# KiCad board PC110.kicad_pcb (continued)
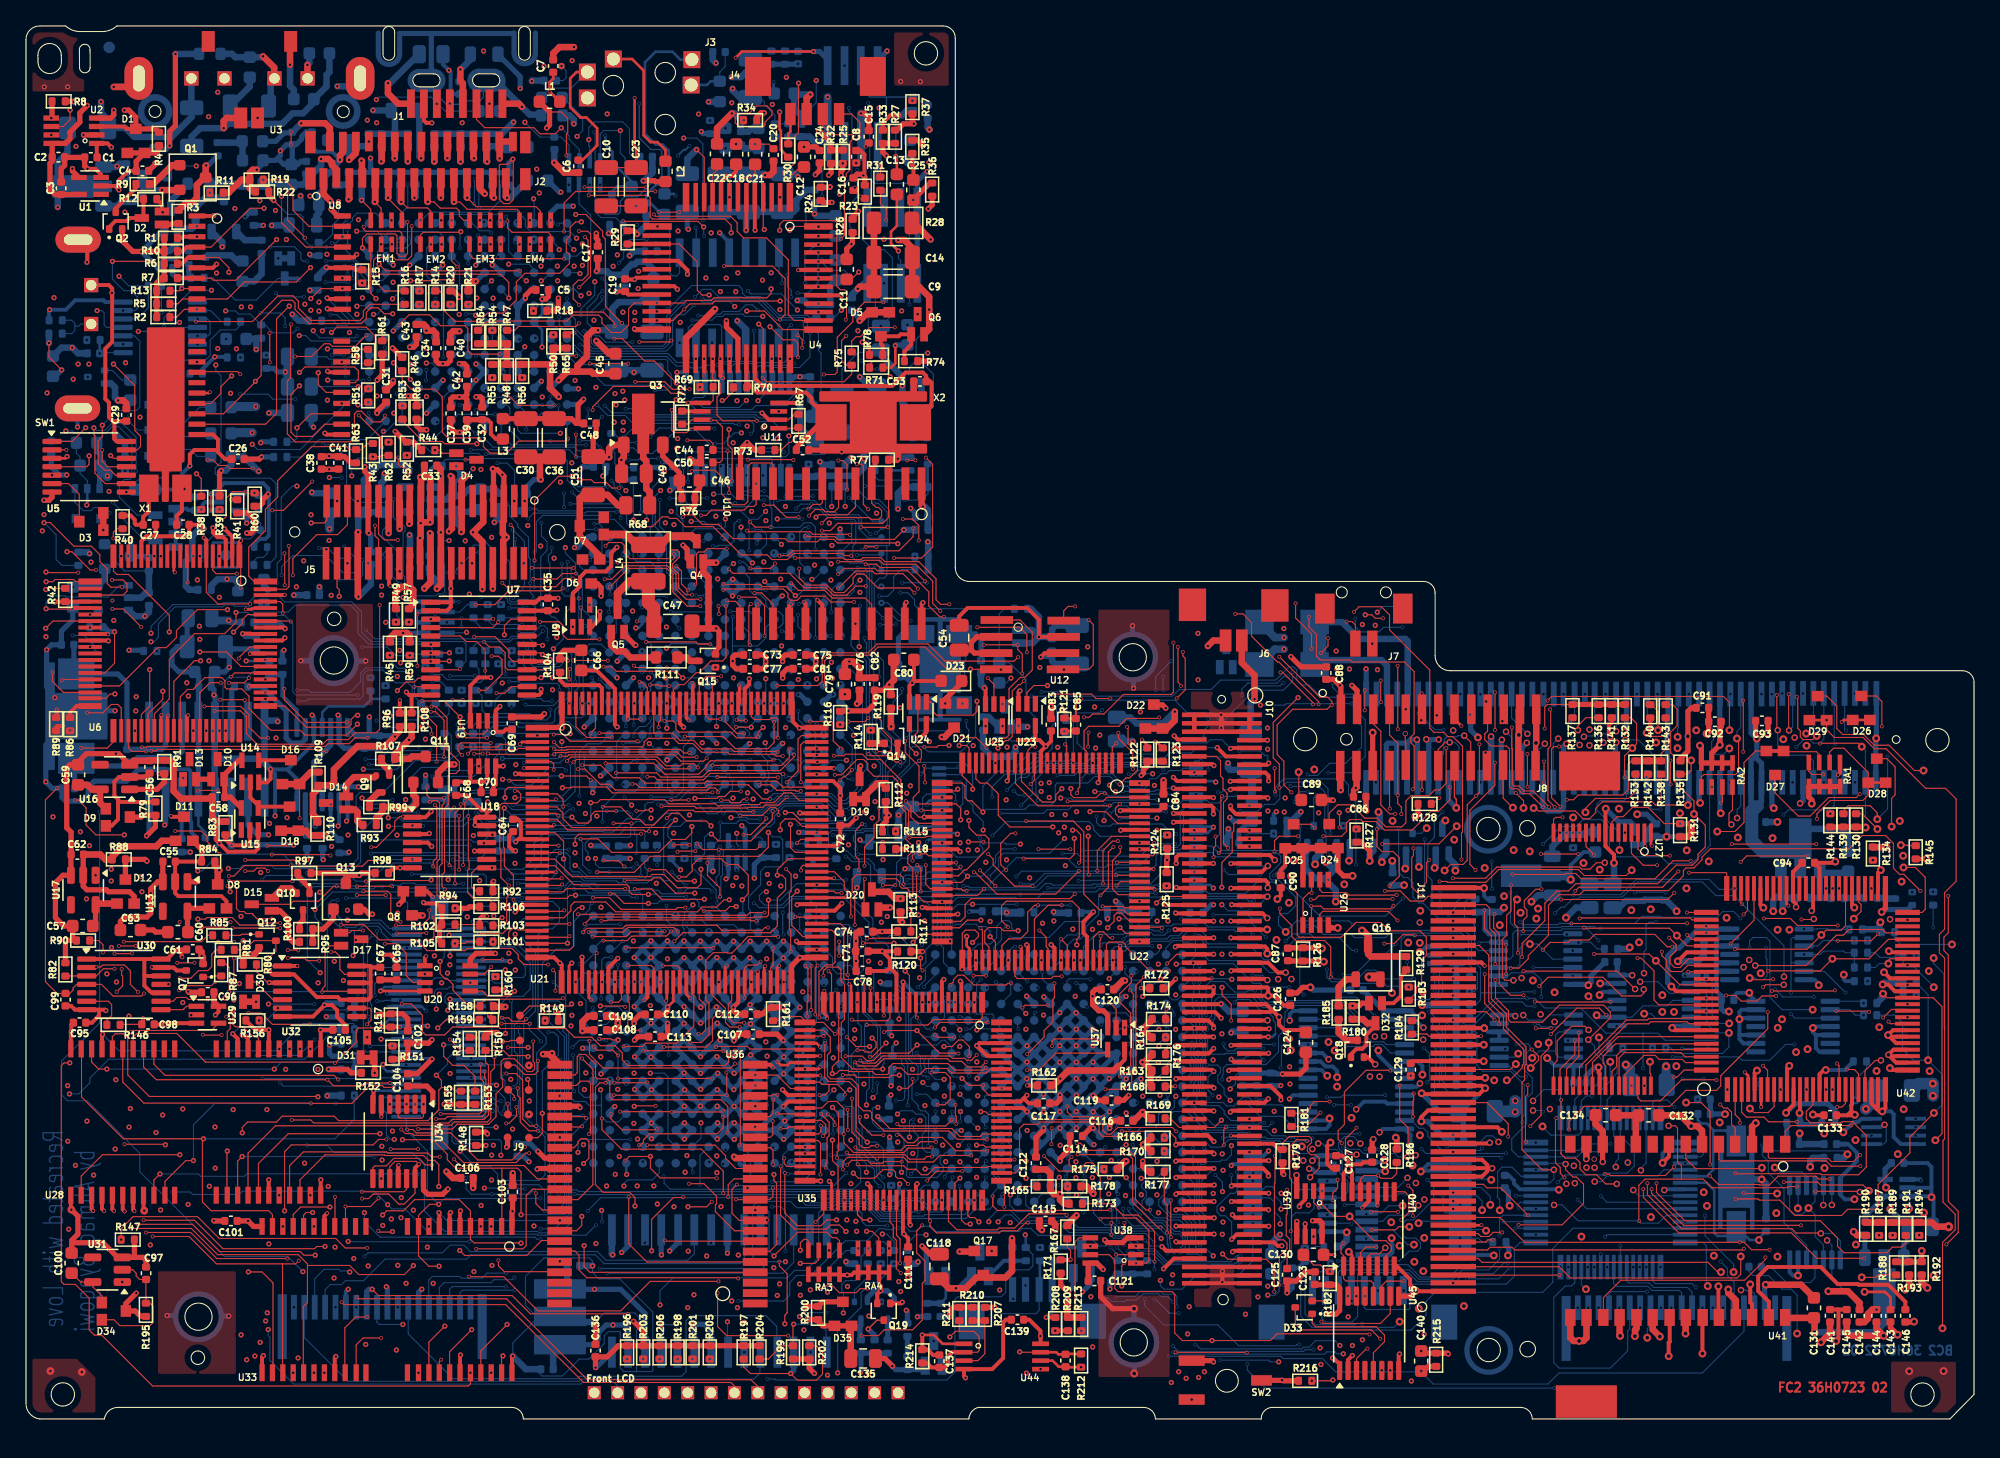
[diagram p0: board, top side]
## Nets (continued)
Net-(U49-DIR): R364.2 R370.1 U49.2
Net-(U49-G#): C270.2 D3.1 D3.3 R258.2 U49.23
Net-(U51-CASAH#): R51.1 U51.J3
Net-(U51-CASAL#): R58.1 U51.K2
Net-(U51-CCLK): R255.2 U51.E10
Net-(U51-FLM): R14.1 U51.B9
Net-(U51-HSYNC): R53.2 U51.A10
Net-(U51-IO0): R11.1 U8.2 U51.L1
Net-(U51-IO1): R1.2 U8.3 U51.K3
Net-(U51-IO2): R10.2 U8.4 U51.L2
Net-(U51-IO3): R6.2 U8.5 U51.K4
Net-(U51-IO4): R7.2 U8.7 U51.L3
Net-(U51-IO5): R13.2 U8.8 U51.N1
Net-(U51-IO6): R5.2 U8.9 U51.M2
Net-(U51-IO7): R2.2 U8.10 U51.L4
Net-(U51-IO8): R269.1 U8.31 U51.N2
Net-(U51-IO9): R259.1 U8.32 U51.M3
Net-(U51-IO10): R61.2 U8.33 U51.K5
Net-(U51-IO11): R18.1 U8.34 U51.J5
Net-(U51-IO12): R15.1 U8.36 U51.N3
Net-(U51-IO13): R22.2 U8.37 U51.M4
Net-(U51-IO14): R233.1 U8.38 U51.L5
Net-(U51-IO15): R19.2 U8.39 U51.N4
Net-(U51-LP): R17.1 U51.A9
Net-(U51-OEL#): R263.1 U51.B13
Net-(U51-P0): EM1.5 U51.E8
Net-(U51-P1): EM1.6 U51.A8
Net-(U51-P2): EM1.7 U51.B7
Net-(U51-P3): EM1.8 U51.A7
Net-(U51-P4): EM3.5 U51.E7
Net-(U51-P5): EM3.6 U51.A6
Net-(U51-P6): EM3.7 U51.B6
Net-(U51-P7): EM3.8 U51.E6
Net-(U51-P8): EM2.5 U51.C6
Net-(U51-P9): EM2.6 U51.A5
Net-(U51-P10): EM2.7 U51.B5
Net-(U51-P11): EM2.8 U51.D6
Net-(U51-P12): EM4.5 U51.A4
Net-(U51-P13): EM4.6 U51.C5
Net-(U51-P14): EM4.7 U51.B4
Net-(U51-P15): EM4.8 U51.A3
Net-(U51-RASA#): R21.2 U51.H4
Net-(U51-RSET): R66.2 U51.A13
Net-(U51-SA0): R265.1 U8.16 U51.G2
Net-(U51-SA1): U8.17 U51.G1
Net-(U51-SA2): U8.18 U51.G3
Net-(U51-SA3): U8.19 U51.G5
Net-(U51-SA4): U8.22 U51.H1
Net-(U51-SA5): R270.1 U8.23 U51.H2
Net-(U51-SA6): U8.24 U51.H5
Net-(U51-SA7): U8.25 U51.H3
Net-(U51-SA8): R279.1 U8.26 U51.J1
Net-(U51-SHFCLK): R20.1 U51.B8
Net-(U51-VSYNC): R46.2 U51.C9
Net-(U51-WEA#): R16.2 U51.K1
Net-(U54A-C): U5.10 U54.3
Net-(U54B-C): U5.8 U54.11
Net-(U54B-Q): R286.2 U54.9
Net-(U55-OUT): R278.1 U5.9 U55.1
Net-(U56-Pad2): U56.2 U56.5 U68.3
Net-(U59-RP#): D20.3 R113.2 U59.10
Net-(U59-WE#): U24.4 U59.9
Net-(U61-CPUCLK33): R251.2 U61.J3
Net-(U61-IOR#): R326.1 U61.J15
Net-(U61-IOW#): R318.2 U61.J14
Net-(U61-MEMR#): R322.2 U61.F13
Net-(U61-MEMW#): R324.2 U61.G14
Net-(U61-PS/RCLR#): C79.1 R116.1 U61.M11
Net-(U61-PWRGD): R96.2 U19.2 U61.R10
Net-(U61-PWRGD_P13): R49.1 U7.6 U61.P13
Net-(U61-RAMA0): R346.2 U61.C12
Net-(U61-RAMA1): R338.2 U61.E12
Net-(U61-RAMA2): R342.2 U61.B12
Net-(U61-RAMA3): R337.2 U61.E11
Net-(U61-RAMA4): R334.2 U61.C11
Net-(U61-RAMA5): R333.2 U61.B11
Net-(U61-RAMA6): R343.2 U61.A11
Net-(U61-RAMA7): R352.2 U61.D11
Net-(U61-RAMA8): R347.2 U61.B10
Net-(U61-RAMA9): R329.2 U61.A10
Net-(U61-RAMA10): R345.2 U61.D10
Net-(U61-RAMA11): R335.2 U61.C9
Net-(U61-RESET): U58.2 U61.N13
Net-(U61-RTCOSCI): C251.2 U61.R11 X3.1
Net-(U61-RTCOSCO): C250.2 U61.P11 X3.4
Net-(U61-TP1): J14.1 U61.T14
Net-(U61-UNKNOWN3): R246.2 U61.R8
Net-(U61-UNKNOWN4): R249.2 U61.N8
Net-(U63-3XCPUCLK): R359.1 U63.14
Net-(U63-14.318MHz): R357.2 U63.11
Net-(U63-24MHz): R358.2 U63.6
Net-(U66-Pad1): U66.1 U66.8
Net-(U66-Pad4): U66.4 U66.9
Net-(U69-Pad5): U69.5 U69.7
Net-(U70-A_VCC3#): U70.6 U74.P4
Net-(U70-A_VCC5#): U70.5 U74.M6
Net-(U70-A_VPP_PGM): U70.3 U74.M5
Net-(U70-A_VPP_VCC): U70.4 U74.T2
Net-(U70-B_VCC3#): U70.26 U74.R2
Net-(U70-B_VCC5#): U70.27 U74.T1
Net-(U70-B_VPP_PGM): U70.29 U74.P2
Net-(U70-B_VPP_VCC): U70.28 U74.R1
Net-(U70-SHDN#): R363.1 U70.14
Net-(U72-A6): U69.3 U72.9
Net-(U74-CS#): U38.2 U74.M4
Net-(U74-INTR#): R162.1 U74.L5
Net-(U74-SYSCLK): R317.1 U74.C1
Net-(U75-INT): R199.2 R204.1 U75.15
Net-(U75-P1B0): R197.1 R202.2 U75.17
Net-(U76-A30): R395.2 U76.T6
Net-(U76-CLK_CPU): R252.2 R253.1 U76.A9
Net-(X1--): C27.1 R40.2 X1.2

Pads without a net: C51 1; C131 1; C132 1; C134 2; D4 1; D6 1 3; D7 1 2; D10 3; D13 3; D58 3; D59 1 2 3; J2 31 32 33 34; J4 5 6; J5 6; J6 3 4; J7 3 4; J10 47 117; J11 22 30 36 38 51 52; J13 32 34 35 37 43 44 45 47 49; J15 61 62; J16 1 21 22; J17 9 10; J18 5 6; J19 1 19 20; Q28 3; Q37 2; R68 1; SW1 3; SW2 3; U1 1; U3 4 9 10; U4 3 12 13 15 17 19; U6 10 12 17 22 32 33 34 59 60; U7 20 21; U8 11 12 15 30; U10 2 8 9 19 22; U13 4; U14 1; U15 1; U16 4; U17 4; U18 5 9; U19 3; U21 132 135 137; U22 1 3 19 21 22 99; U23 1; U27 6 9 10; U28 11 12 13 33 34; U30 5; U31 4; U32 4 8; U33 11 12 13 33 34; U35 47 49 59 80 82 84 85 91 92 94 96 98 99 100; U36 1 2 3 34 46 47 48; U40 5 9; U41 9 10 11 14 28; U42 41 45 48 54 63 64 67 68 69; U45 4; U46 3 5 6 8 9 11 13 15; U48 3; U50 4 5; U51 A1 A2 C3 C4 C8 D4 D5 D10 F6 F7 F8 G6 G7 G8 H6 H7 H8 L10; U52 1; U53 4; U54 8; U55 4 5; U56 8 11; U58 1; U59 12 13 29 37 38; U61 A14 A15 B14 C14 D12 E7 E8 E9 E10 F3 F5 F7 F8 F9 F10 F15 F16 G5 G6 G7 G8 G9 G10 G11 G12 H5 H6 H7 H8 H9 H10 H11 H12 J5 J6 J7 J8 J9 J10 J11 J12 K5 K6 K7 K8 K9 K10 K11 K12 K13 K16 L7 L8 L9 L10 L11 M7 M8 M9 M10 N10 R12 T8; U63 1 7; U68 6 8 11; U70 9 11 13 18 19 21 22; U71 6; U72 14; U74 B3; U76 A1 A2 A4 A5 A10 A14 A15 A16 B1 B2 B4 B6 B8 B12 B14 B15 B16 C1 C2 C4 C5 C6 C8 C12 C14 C15 E1 F16 J2 M1 N2 P6 P14 R1 R2 R14 R15 T1 T2 T11 T14 T15 T16; X1 3; X3 2 3 5

## Via types
v1: diameter 0.4, hole 0.2, FC2 to BC2, 1902 vias
v2: diameter 0.6, hole 0.3, FC2 to BC2, 354 vias
v3: diameter 0.3, hole 0.2, FC2 to FC1, 1729 vias
v4: diameter 0.5, hole 0.3, FC2 to BC2, 136 vias
v5: diameter 0.5, hole 0.2, BC1 to BC2, 3 vias
v6: diameter 0.3, hole 0.2, FC2 to BC2, 6 vias
v7: diameter 0.3, hole 0.2, BC1 to BC2, 1934 vias
v8: diameter 0.6, hole 0.2, FC2 to BC2, 4 vias
v9: diameter 0.4, hole 0.2, BC1 to BC2, 12 vias
v10: diameter 0.3, hole 0.2, FC2 to IC1, 1 via
v11: diameter 0.6, hole 0.3, BC1 to BC2, 1 via
v12: diameter 0.3, hole 0.2, FC2 to IC2, 2 vias
v13: diameter 0.5, hole 0.2, FC2 to BC2, 2 vias
v14: diameter 0.4, hole 0.3, FC2 to BC2, 2 vias

## Routing (per net, layer and track width the routed paths; a pad name or vN(x,y) marks a point on that pad's centre or on a via; arc(x,y) is an arc through that point)
/PCMCIA/A5VDET: length 31.6
  FC2 w0.3: J10.19 92.82,42.81 v1(92.81,42.8)
  BC1 w0.08: v7(86.1,41.83) 86.13,41.86 92.35,41.86 92.81,42.32 v1(92.81,42.8) ; v7(72.21,41.06) 72.22,41.05 72.22,38.19 72.07,38.04 72.07,35.39 72.93,34.53 v7(72.93,33.84)
  BC2 w0.08: 72.57,33.24 72.57,33.27 72.92,33.62 72.92,33.83 v7(72.93,33.84) ; v7(72.21,41.06) 72.57,41.06 72.69,40.94 77.77,40.94 78.68,41.85 83.96,41.85 84.02,41.91 86.02,41.91 v7(86.1,41.83)
GND: length 4862.6
  FC2 w0.08: v4(112.93,19.32) 112.92,19.33 ; 116.33,52.11 v4(116.31,52.09) 116.28,52.06 ; X2.3 67.48,78.87 68.38,78.87 ; X2.3 67.16,74.85 ; X2.3 67.41,78.8 68.37,78.8 ; X2.3 63.28,74.67 ; X2.3 63.14,74.53 v1(62.82,74.53) ; 65.31,77.29 66.7,78.68 ; 113.34,22.47 113.34,22.48 ; v4(121.45,19.81) 121.44,19.82 ; 64.58,95.91 v1(64.5,95.83) ; 140.8,23.37 v2(140.87,23.44) ; v1(54.37,100.61) 55.69,100.61 56.27,101.19 57.08,101.19 57.46,100.81 57.46,100.48 56.92,99.94 56.92,99.71 56.82,99.61 54.91,99.61 54.63,99.89 54.63,100.3 54.94,100.61 ; v2(112.28,27.57) 112.27,27.58 ; 3,97.22 C2.2 ; v2(107.54,31.1) 107.12,30.68 R184.2 ; 45.86,73.68 45.88,73.66 ; 37.49,18.94 v1(37.5,18.95) ; v1(78.94,54.92) 78.95,54.91 ; v2(112.29,28.84) 112.28,28.83 ; v1(69.04,39.42) 69.06,39.4 ; 22.81,74.2 C38.2 ; v2(99.82,36.26) 99.77,36.31 ; v2(134.16,52.82) 134.19,52.85 ; 8.03,102.65 8.69,103.31 ; v2(112.39,26.29) 112.38,26.28 ; v2(123.93,6.38) 123.94,6.39 ; 37.53,97.05 37.53,93.96 37.23,93.66 36.79,93.66 36.46,93.99 36.46,96.62 36.53,96.69 37.11,96.69 v1(37.5,97.08) 37.53,97.05
  FC2 w0.1: v1(6.35,59.96) 6.32,59.99
  FC2 w0.2: v1(82.58,49.04) 82.67,49.13 U22.4 ; U20.4 27.31,32.98 v1(27.31,32.98) ; 26.77,24.3 U34.7
  FC2 w0.25: U35.13 67.55,33.15 67.56,33.16 v1(67.56,33.67)
  FC2 w0.3: 34.25,49.11 34.23,49.13 U19.5 ; 34.25,49.11 35.04,49.11 ; 34.25,49.11 33.22,49.11 C68.2 ; v2(143.43,29.58) 143.55,29.46 144.93,29.46 ; v2(143.43,29.58) 143.81,29.96 144.93,29.96 ; v2(143.43,29.58) 144.05,28.96 144.93,28.96 ; 109.93,23.78 107.99,23.78 107.48,23.27 v2(107.48,22.93) ; v1(72.37,3.17) 72.25,3.29 U44.4 74.42,3.84 75.27,4.69 75.27,7.44 75.48,7.65 C139.1 ; U23.3 76.45,56 v1(76.56,56.11) ; U28.30 9.06,16.11 v8(9.11,16.05) ; 92.16,11.09 92.15,11.08 v1(92.15,10.55) ; 92.16,11.09 92.19,11.06 ; 92.16,11.09 v1(92.16,11.38) 92.18,11.4 92.18,11.71 ; v1(44.21,62.22) 44.21,61.66 43.6,61.05 U9.3 ; 109.93,21.23 112.69,21.23 v4(112.75,21.29) ; 92.19,11.06 J10.139 ; 92.19,11.06 J10.69 ; R145.1 v2(146.38,43.16) ; 68.42,56.87 v1(68.27,56.72) 68.05,56.5 U24.3 ; 68.42,56.87 D23.2 ; 68.42,56.87 68.39,56.9 C80.2 ; v2(126.8,30.14) 126.98,29.96 129.43,29.96 ; 112.56,19.33 112.56,19.57 112.15,19.98 109.93,19.98 ; 112.56,19.33 112.56,19.09 112.15,18.68 109.93,18.68 ; 112.56,19.33 109.93,19.33 ; 112.56,19.33 112.92,19.33 ; 112.38,26.28 109.93,26.28 ; v8(3.5,16.13) 3.46,16.18 3.46,17.24 ; U21.44 44.86,34.77 v1(45.58,35.49) ; U28.44 22.71,18.43 v1(22.71,18.43) ; U21.100 62.16,49.17 62.73,48.6 v1(62.73,48.04) 62.72,48.03 C72.2 ; 35.04,49.11 35.04,48.95 35.05,48.94 C70.1 ; 35.04,49.11 v1(35.51,49.11) 35.53,49.13 U19.7 ; v1(71.97,33.73) 72.05,33.65 U35.4 ; v1(37.71,43.78) 37.55,43.78 37.22,44.11 37.22,44.96 C64.1 ; v2(143.57,27.04) 143.73,26.89 144.93,26.89 ; U1.3 5.78,95.9 5.34,96.34 v1(4.74,96.34) ; U6.16 8.89,67.65 9.26,68.02 10,68.02 ; RA4.7 65.71,10.38 65.83,10.26 v1(65.83,9.88) 65.57,9.62 Q19.2 ; RA4.7 RA4.8 ; RA4.7 RA4.6 RA4.5 63.79,11.29 63.59,11.09 v1(63.26,11.09) 62.72,11.09 RA3.8 RA3.7 RA3.6 RA3.5 ; C66.1 43.96,57.69 45.36,56.28 45.36,53.51 v1(45.54,53.33) ; v1(37.5,4.84) 37.44,4.78 U33.44 ; v1(37.71,49.72) 38.1,49.72 38.15,49.67 U21.8 ; 129.43,35.96 127.92,35.96 v2(127.23,35.27) ; 10,68.02 12.31,68.02 12.57,68.28 C28.2 13.4,68.91 v1(13.7,68.61) ; 10,68.02 10,68.21 9.99,68.22 C27.2 ; v1(39.68,56.23) 39.68,55.95 39.52,55.79 U7.13 ; U8.27 23.31,80.66 v1(23.23,80.74) ; v1(33.47,4.93) 33.44,4.9 U33.39 ; v2(133.82,39.4) 133.6,39.62 U42.70 ; 5.62,31.54 5.62,31.08 5.08,30.54 C95.2 ; 5.62,31.54 U30.7 3.77,31.54 3.48,31.83 C99.1 ; 5.62,31.54 6.08,31.54 v1(6.15,31.47) ; v1(26.77,25.31) 26.77,24.3 ; U42.23 142.15,24.31 142.53,23.93 ; C98.2 9.89,30.4 v1(10.74,30.4) 10.84,30.5 U29.3 ; C129.2 106.84,27.58 112.27,27.58 ; 140.6,23.71 140.29,23.4 ; 140.6,23.71 v2(140.87,23.44) 140.83,23.4 140.29,23.4 ; 140.6,23.71 140.6,24.19 140.65,24.24 U42.20 ; 140.29,23.4 C133.2 ; U22.93 84.36,45.4 v1(84.32,45.36) ; U21.80 62.29,39.17 v1(62.84,39.72) ; v2(121.13,27.1) 121.13,26.7 121.21,26.62 U27.24 ; R98.2 27.93,42.07 28.33,42.47 v1(28.82,42.47) 29.77,42.47 ; 14.68,46.03 14.66,46.01 14.66,44.6 v1(14.9,44.36) 15.55,43.71 16.1,43.71 16.11,43.72 17.65,43.72 17.89,43.96 U15.3 ; 92.18,11.71 J10.68 ; 92.18,11.71 J10.138 ; 55.36,55.15 55.36,56.26 55.71,56.61 v1(55.71,57.03) ; 144.93,27.96 143.55,27.96 v4(143.45,28.06) ; 144.93,35.96 143.59,35.96 v2(143.49,36.06) ; 144.93,33.96 143.58,33.96 v2(143.12,34.42) ; v1(23.14,88.74) 23.17,88.71 U8.35 25.23,88.71 25.38,88.56 R15.2 ; U45.8 105.73,4.95 v1(105.8,5.01) ; v1(29.3,56.01) 29.53,55.79 29.7,55.79 ; C54.2 71.88,61.85 72.53,62.5 77.12,62.5 78.02,61.6 v1(78.02,60.27) U12.7 ; C105.2 24.6,30.35 23.97,30.98 23.97,31.49 23.57,31.89 v1(22.99,31.89) 22.11,31.01 U32.7 ; v1(78.96,36.55) 79.22,36.29 U22.65 ; 112.28,28.83 109.93,28.83 ; 142.53,23.93 142.76,23.7 v2(142.98,23.7) 143.23,23.95 U42.25 ; 142.53,23.93 142.65,24.05 U42.24 ; 39.72,62.29 40.84,62.29 v1(40.89,62.34) ; 39.72,62.29 C35.1 ; 39.72,62.29 38.61,62.29 U7.23 ; C90.1 96.65,40.33 v2(96.39,40.07) ; U8.21 23.13,75.86 v1(23.02,75.97) ; U33.23 18.19,4.78 v1(18.29,4.88) ; U19.4 34.23,56.51 34.86,57.14 v1(35.8,57.14) ; v1(73.83,56.34) 73.91,56.26 U25.3 ; v1(18.7,18.43) 18.7,17.25 U28.39 ; U4.5 56.14,91.63 v1(56.16,91.61) ; U7.12 29.7,55.79 ; 29.7,55.79 R108.2 ; 64.58,95.91 64.58,97.45 64.28,97.75 C8.2 ; v1(18.84,50.06) 18.84,49.33 18.57,49.06 U14.3 ; 109.93,30.13 109.94,30.12 v2(112.32,30.12) ; 109.98,40.93 112.29,40.93 v2(112.31,40.91) ; 69.06,39.4 69.35,39.4 69.4,39.35 U22.45 ; R33.2 66,99.9 66.56,100.46 v1(67.24,100.46) ; J10.70 J10.140 ; U35.37 58.69,24.96 v1(58.28,25.37) ; U41.8 126.55,20.22 v2(126.06,19.73) ; v4(143.45,28.06) 143.85,28.46 144.93,28.46 ; v4(143.45,28.06) 144.05,27.46 144.93,27.46 ; U42.61 138.15,42.48 C94.2 139.27,42.86 v2(139.36,42.95) ; U21.64 54.86,32.09 v1(54.49,31.72) ; U6.73 19.87,60.99 v1(19.96,60.9) ; 109.93,9.83 109.92,9.84 107.1,9.84 v2(107.06,9.88) 106.61,10.33 106.61,10.76 105.58,11.79 U40.7 ; 6.32,59.99 U6.30 ; U33.30 23.79,4.73 v1(23.87,4.81) ; 113.34,22.48 109.93,22.48 ; Q18.2 103.37,27.88 v4(103.92,27.33) ; C127.1 100.56,19.33 100.23,19.66 100.23,21.05 v2(100.48,21.3) ; v1(45.46,86.86) 45.49,86.89 C19.1 46.39,86.65 U4.22 ; C111.2 67.95,13.93 v1(67.62,14.26) 67.55,14.33 U35.63 ; U21.28 38.23,39.62 v1(37.68,39.07) ; U35.87 76.82,23.96 v1(77.1,23.68) ; v2(113.68,22.13) 113.34,22.47 ; v2(135.82,27.21) 135.65,27.04 U42.10
  FC2 w0.35: 92.1,52.96 J10.3 J10.1 J10.71 J10.73 92.1,52.96 ; 92.1,52.96 92.1,53.23 v1(92.07,53.26) 92.07,53.6 92.08,53.61 ; J10.2 92.08,53.61 ; 92.08,53.61 J10.72 ; 92.08,53.61 92.08,54.25 v1(92.06,54.27)
  FC2 w0.4: v1(69.02,13.32) 69.64,12.7 C118.2 ; R150.2 35.4,29.65 35.53,29.78 v1(36.28,29.78) ; v1(71.14,7.86) 71.14,8.32 71.42,8.6 R211.2 R210.2 ; C97.2 9.25,12.22 9.02,12.45 U31.3 ; C42.1 33.96,78.94 33.78,78.76 ; C86.2 103.21,46.9 v1(103.27,46.84) ; v1(53.95,84.63) 53.95,84.14 54.84,83.25 U4.33 ; v1(9.94,96.78) 9.94,96.67 C4.2 ; v1(60.8,95.89) 61.13,96.22 C24.1 ; 33.78,78.76 v1(33.39,78.76) 32.88,78.76 32.72,78.6 C37.2 ; 33.78,78.76 33.96,78.58 C39.2 ; C136.2 43.87,7.45 v1(43.85,7.47) ; R23.2 64.61,95.72 v1(64.5,95.83) 64.41,95.92 64,95.92 63.73,95.65 C16.2 ; U42.51 143.23,39.36 v2(142.94,39.07) ; C107.1 54.86,29.65 54.53,29.32 v1(54.53,29.15) ; R29.2 46.8,91.57 v1(47.07,91.3) ; 99.77,36.31 R126.2 97.23,36.31 C87.2 ; U39.4 97.88,18.77 v4(97.86,18.79) ; R82.2 3.04,36.87 v1(3,36.91) 3.03,36.88 3.59,36.88 ; C69.2 39.68,54.1 v1(39.93,54.35) ; C51.2 43.69,75.52 43.92,75.75 C48.2 ; 134.19,52.85 C93.2 ; 116.28,52.06 J8.26 ; U31.3 8.35,12.45 R147.2 ; U31.3 7.06,12.45 5.93,13.58 3.52,13.58 C100.2 3.52,13.76 4,14.24 4,15.63 v8(3.5,16.13) ; v1(46.87,84.01) 46.93,83.95 U4.26 ; R63.1 25.03,73.68 24.55,74.16 C41.2 24.03,74.2 v1(23.35,74.2) 22.81,74.2 ; C128.2 103.69,21.47 v4(103.78,21.56) ; v1(53.17,60.92) 53.38,60.71 53.38,59.49 53.11,59.22 Q15.2 ; v1(83.09,13.79) 83.29,13.59 84.46,13.59 84.83,13.96 U38.4 ; v1(96.79,26.58) 98.13,26.58 98.59,27.04 C124.1 ; C73.1 54.62,58.88 54.44,58.7 v1(54.44,58.4) 54.44,58.08 54.71,57.81 C77.1 ; v1(82.2,24.94) 82.59,24.55 C119.2 ; C3.2 2.71,96.34 2.98,96.61 C2.2 ; C120.2 82.37,33.1 82.16,32.89 v1(82.16,32.57) 82.16,31.92 82.62,31.46 82.99,31.46 83.32,31.13 U37.3 ; v1(36.87,32.99) 36.79,33.07 R160.1 ; U26.4 100.53,37.84 v2(101.04,37.84) ; v1(97.14,9.72) C125.1 97.84,10.63 98.54,11.33 C123.2 ; v1(6.76,100.85) 6.76,100.48 6.53,100.25 U2.4 ; C78.1 63.93,34.54 v1(63.93,35.29) 63.91,35.31 C71.1 63.92,36.05 v1(63.92,36.82) 63.92,37.47 63.99,37.54 ; C31.1 27.04,77.65 v1(27.04,77.51) ; 41.12,20.1 39.96,20.1 v1(39.44,20.62) ; C5.2 40.24,86.5 40.04,86.3 v1(39.75,86.3) ; 3.59,36.88 3.59,37.09 3.6,37.1 3.6,37.99 2.91,37.99 2.27,38.63 2.27,41.32 2.85,41.9 U17.3 3.46,43.48 C62.1 3.48,45.22 3.14,45.56 3.14,50.17 3.39,50.42 4.01,50.42 4.01,50.62 4.66,51.27 v1(6.93,51.27) 7.14,51.27 U16.3 ; 3.59,36.88 3.88,36.88 R90.1 ; J8.13 101.28,56.45 v1(101.2,56.53) 100.73,57 C88.1 ; v1(23.51,93.23) 23.51,93.21 24.01,92.71 U8.40 ; v2(98.93,33.26) 98.34,33.26 97.91,32.83 C126.2 ; R153.1 R155.1 32.24,24.24 v1(32.22,24.26) ; v1(27.05,80.06) 27.44,80.45 R61.1 ; v1(82.2,22.41) 81.99,22.41 C114.1 ; U41.12 121.44,21.16 121.44,19.82 ; R186.2 105.58,21.61 v2(105.51,21.68) ; C121.2 82.78,9.42 83.7,8.5 v2(85.35,8.5) ; C112.1 54.76,31.2 54.49,31.47 v1(54.49,31.72) ; R73.1 56.13,74.67 v1(55.55,75.25) 55.04,74.74 55.04,72.03 ; C75.2 60.65,58.88 60.83,58.7 v1(60.83,58.37) 60.83,58.03 60.61,57.81 C81.2 ; R18.2 40.69,85.39 41.01,85.71 v1(41.01,86.37) ; C113.1 47.14,29.46 v1(46.87,29.19) ; C55.1 10.54,42.94 U13.3 10.16,41.4 9.61,40.85 v1(9.61,40.51) 9.61,38.97 9.32,38.68 7.61,38.68 7.28,38.35 C63.1 ; C101.1 14.5,15.26 v1(14.47,15.29) ; 51.48,60.92 C47.2 ; C52.2 63.28,74.67 ; v2(107.06,9.88) 106.64,9.46 U45.9 ; R60.1 17.98,70.34 18.23,70.59 18.23,70.83 v1(18.66,71.26) ; R151.1 29.04,27.72 29.41,28.09 C102.1 31.01,28.96 v1(31.27,29.22) ; v1(66.73,4.07) 66.73,4.09 66.16,4.66 C135.2 ; R10.1 R6.1 R7.1 10.44,87.92 10.07,87.55 R13.1 R5.1 R2.1 ; R10.1 R1.1 ; R10.1 10.63,89.97 v1(8.89,89.97) 8.23,89.97 7.41,90.79 Q2.2 ; v1(18.14,74.13) 17.98,73.97 C26.2 ; v1(47.56,95.42) 48.42,95.42 48.49,95.35 L2.1 ; C17.2 44.04,90.87 43.93,90.98 v1(43.93,91.37) ; C104.1 30.88,25.65 31.34,25.19 v1(31.34,24.28) ; C116.2 84.31,22.97 83.76,22.97 83.47,22.68 v1(83.47,22.4) ; Q14.2 67.14,51.14 v1(67.09,51.09) ; C122.2 77.8,21.69 78.38,22.27 v1(78.38,22.41) ; v1(12.49,32.94) 12.55,32.88 C96.1 ; v1(34.67,78.77) 35,78.77 35.14,78.63 C32.2 ; C117.1 79.38,24.33 79.64,24.59 v1(79.64,24.96) ; C110.1 47.3,31.17 46.84,30.71 v1(46.84,30.48) ; U5.7 2.01,71.03 1.78,70.8 v1(1.39,70.8) ; v1(30.86,76.23) 30.39,76.23 30.09,76.53 R66.1 ; v1(60.73,3.51) 60.33,3.91 R202.1 R199.1 ; v2(129.45,52.81) 129.61,52.97 C92.1 C91.2 ; v1(4.74,96.34) 4.52,96.56 C1.1 3,97.22
  FC2 w0.5: v1(33.39,83.83) 32.91,83.83 32.68,83.6 C40.2 ; C44.1 C50.1 51.41,73.71 v1(51.16,73.96) ; v1(29.59,64.12) 29.56,64.15 J5.29 ; v1(29.59,64.12) 29.83,63.88 29.83,62.76 R57.2 ; v1(29.59,64.12) 28.92,64.12 28.45,63.65 28.45,62.48 R49.2 ; Q7.2 13.63,35.07 13.63,35.58 v1(13.53,35.68) 13.53,35.98 C61.2 ; C82.2 C76.2 64.2,57.87 63.7,58.37 v1(63.42,58.37) 63.2,58.37 63.08,58.25 C79.2 ; D5.3 D5.1 64.86,85.29 v1(64.21,84.63) ; C103.2 37.49,18.94 ; U41.18 122.75,6.44 v2(122.79,6.4) ; 140.24,7.47 140.24,6.65 140.48,6.41 v2(143.09,6.41) 142.54,6.96 142.54,7.47 ; 45.86,73.68 v1(45.86,73.91) 46.05,74.1 Q3.1 45.2,75.06 44.92,74.78 v1(44.92,74.12) 43.73,74.12 C51.2 ; v1(53.17,60.92) 52.57,60.92 ; 52.57,60.92 51.48,60.92 ; 52.57,60.92 52.57,64.85 52.17,65.25 Q4.1 52.27,65.99 v1(53.16,65.99) ; U41.15 118.95,6.27 119.21,6.01 v2(119.63,6.01) 119.95,6.01 120.2,6.26 U41.16 ; v1(42.21,105.72) 41.09,105.72 40.61,105.24 C7.2 ; C43.2 30.63,84.35 30.84,84.14 v1(30.84,83.87) 31.36,83.87 31.59,83.64 C34.2 ; R11.2 15.61,94.5 16.61,95.5 R19.1 ; R83.2 15.36,46.03 14.68,46.03 14.35,46.36 C58.1 14.24,47.81 11.95,47.81 11.37,48.39 11.37,50.47 11.08,50.76 R91.2 9.55,50.76 C56.2 8.3,50.73 U16.3 ; C134.1 120.89,22.73 121.45,22.17 U41.12 ; v1(79.28,14.57) 79.28,14.98 C115.1 ; 39.59,74.14 39.59,72.45 v1(39.65,72.39) ; 39.59,74.14 38.51,74.14 ; 39.59,74.14 40.68,74.14 ; R19.1 17.25,94.84 17.5,94.59 R22.1 ; R19.1 17.25,96.05 17.47,96.27 v1(17.78,96.27) ; v1(6.76,102.65) 8.03,102.65 ; J6.2 91.46,59.99 v1(91.03,59.56) ; v1(40.69,96.82) 41.46,96.05 C6.1 ; U41.3 132.95,22.51 v2(133.24,22.8) ; v1(33.53,68.35) 33.56,68.38 J5.7 33.56,72.31 v1(33.92,72.67) ; J4.2 60.13,101.78 v1(60.42,102.07) ; v1(101.27,48.45) 101.23,48.49 J8.14 ; C45.2 44.91,82.11 v1(43.93,83.08) ; v1(80.29,9.09) 80.2,9 80.2,7.88 R209.2 R213.2 ; R77.2 66.45,73.91 67.07,73.91 v1(67.16,74) 67.16,74.85 ; v1(54.37,100.61) 53.23,99.47 C22.2 ; v1(25.61,63.37) 25.56,63.42 J5.24 25.56,68.31 v1(25.59,68.34) ; 68.38,78.87 C53.1 ; v1(54.54,20.21) 54.65,20.1 U36.15 ; 78.95,54.91 C83.2 ; Q12.2 17.95,36.16 17.56,35.77 v1(17.27,35.77) 16.99,35.77 16.73,35.51 R80.1 ; C84.2 v1(87.62,49.22) ; v1(15.23,99.47) 15.23,100.03 15.46,100.26 U3.2 ; U41.6 129.1,22.21 128.74,22.57 v2(128.26,22.57) 127.43,23.4 C132.2 ; 45.88,73.66 C49.1 ; v2(128.29,45.87) 128.29,45.14 128.01,44.86 R131.1 ; v1(56.93,95.86) 57.31,95.86 57.58,96.13 C20.1 ; v1(67.19,90.85) 67.66,90.85 68.27,90.25 C14.2 C9.2 68.78,87.26 69.57,86.47 v1(69.57,85.49) 69.57,83.98 Q6.1 ; v2(134.01,10.34) 136.73,10.34 137.72,9.35 ; v1(32.38,19.07) 32.88,18.57 C106.1 ; C108.1 42.93,29.97 v1(42.86,29.9) 42.86,30.61 43.3,31.05 C109.1 ; R113.1 67.36,38.41 v1(67.5,38.27) ; v1(31.65,63.98) 31.96,64.29 J5.32 31.96,68.31 v1(31.95,68.32) 31.96,68.33 J5.9 31.96,72.62 v1(31.93,72.65) 31.93,73.19 C33.2 ; 123.94,6.39 123.94,6.86 124.05,6.97 U41.19 ; 116.33,52.11 J8.1
  FC1 w0.08: 80.39,55.42 80.39,54.02 79.59,53.22 79.59,52.8 79.78,52.62 80.17,52.62 80.92,53.37 80.92,56.21 79.63,57.5 77.97,57.5 77.14,58.33 76.29,58.33 76.03,58.07 75.38,58.07 75.33,58.13 74.94,58.13 74.73,57.91 74.73,57.59 74.94,57.38 75.38,57.38 75.53,57.53 76.25,57.53 76.54,57.82 76.91,57.82 77.71,57.02 79.35,57.02 80.39,55.98 80.39,55.42 ; 80.39,55.42 79.36,55.42 78.94,55 v1(78.94,54.92) ; v1(54.37,100.61) 55.28,100.61 55.28,100.48 ; 29.05,83.39 27.87,83.39 27.53,83.05 24.32,83.05 23.94,83.43 23.94,83.88 23.5,84.32 21.94,84.32 21.66,84.04 21.66,83.54 22.36,82.84 23.7,82.84 23.87,82.67 27.74,82.67 28.08,83.01 31.07,83.01 32,83.94 32,84.98 32.36,85.34 32.58,85.34 33,85.76 33,86.06 32.81,86.25 32.43,86.25 31.96,85.78 31.96,85.58 31.61,85.23 31.61,84.64 v1(30.84,83.87) 30.36,83.39 29.01,83.39 ; 55.28,100.48 55.13,100.48 54.9,100.25 54.9,99.74 55.04,99.59 55.04,98.98 54.69,98.63 54.55,98.63 54.33,98.4 54.33,98.08 54.53,97.87 54.86,97.87 55.65,98.66 55.65,100.26 55.43,100.48 55.28,100.48 ; 36.24,43.78 36.24,45.2 36.1,45.34 35.72,45.34 35.6,45.22 35.6,42.31 35.75,42.16 36.1,42.16 36.24,42.3 36.24,43.78 ; 36.24,43.78 v1(37.71,43.78) ; 63.93,95.42 61.51,95.42 61.37,95.28 61.37,94.67 61.52,94.52 62.08,94.52 62.4,94.84 63.22,94.84 63.57,94.49 64.02,94.49 64.21,94.68 64.21,95.14 63.93,95.42 ; 63.93,95.42 64.34,95.83 v1(64.5,95.83) ; 67.07,100.46 66.54,99.93 66.05,99.93 64.63,101.35 62.99,101.35 61.62,99.98 57.94,99.98 57.61,100.31 57.61,101.18 v1(57.49,101.3) 56.24,101.3 55.91,100.97 55.91,99.17 56.66,98.42 62.84,98.42 63.72,99.3 64.27,99.3 65.87,97.7 65.87,97.03 66.18,96.72 66.18,95.35 64.61,93.78 63.56,93.78 63.37,93.59 63.37,92.42 63.49,92.3 65.7,92.3 68.85,95.45 68.85,96.43 68.99,96.57 68.99,97.02 69.3,97.33 69.58,97.33 69.75,97.5 69.75,98.57 69.51,98.81 69.23,98.81 68.87,99.17 68.12,99.17 67.24,100.05 v1(67.24,100.46) 67.07,100.46 ; 38.94,89.01 38.94,87.59 38.64,87.29 36.22,87.29 35.49,86.56 35.49,86.16 35.75,85.9 36.19,85.9 36.57,86.28 36.57,86.54 36.92,86.89 39.12,86.89 39.71,86.3 v1(39.75,86.3) 39.75,87.17 40.1,87.52 40.1,89.02 39.84,89.28 39.21,89.28 38.94,89.01
  IC1 w0.08: 38.26,42.34 38.26,43.36 37.84,43.78 v1(37.71,43.78) 37.67,43.78 ; 38.26,42.34 38.21,42.29 37.31,42.29 36.85,42.75 29.83,42.75 29.49,43.09 24.14,43.09 23.59,43.64 22.68,43.64 22.5,43.46 22.5,42.92 22.74,42.68 27.23,42.68 27.35,42.56 28.73,42.56 v1(28.82,42.47) 28.87,42.52 ; 38.26,42.34 38.32,42.29 46.57,42.29 48.23,43.95 62.27,43.95 63.1,44.78 63.56,44.78 63.78,44.56 63.78,44.03 63.34,43.59 48.55,43.59 46.86,41.9 37.04,41.9 36.59,42.35 29.61,42.35 29.44,42.52 28.87,42.52 ; 58.05,70.84 58.95,70.84 58.96,70.85 ; 58.05,70.84 57.67,71.22 55.76,71.22 55.34,70.8 55.34,69.46 55.55,69.25 55.55,68.57 55.34,68.36 54.53,68.36 54.52,68.36 54.47,68.36 54.28,68.55 52.96,68.55 50.74,70.77 48.83,70.77 48.27,70.21 48.27,69.07 48.06,68.86 47.61,68.86 47.39,69.08 47.39,70.04 48.51,71.16 50.99,71.16 53.17,68.99 54.05,68.99 54.05,68.99 54.23,68.99 54.82,69.58 54.82,71.19 55.22,71.59 61.55,71.59 62.57,70.57 62.57,70.07 62.37,69.87 61.94,69.87 60.6,71.21 59.32,71.21 58.96,70.85 ; 58.05,70.84 58.05,69.87 58.29,69.63 58.29,68.39 58.89,67.79 65.12,67.79 67.62,65.29 67.62,63.79 67.41,63.58 67.41,62.74 67.61,62.55 68.05,62.55 68.24,62.73 68.24,63.63 67.99,63.88 67.99,65.53 65.29,68.23 63.07,68.23 v1(62.71,68.59) 62.58,68.59 62.2,68.21 59.19,68.21 58.73,68.67 58.73,69.58 58.96,69.81 58.96,70.85 ; 40.26,66.9 40.26,66.15 40.5,65.91 41.37,65.91 41.69,66.23 51.66,66.23 52.12,66.69 57.31,66.69 57.37,66.63 60.76,66.63 61.86,65.53 62.2,65.53 62.47,65.79 62.47,66.21 61.68,67 57.76,67 57.64,67.12 51.92,67.12 51.4,66.6 42.91,66.6 42.36,67.15 v1(42.25,67.15) 42.18,67.15 41.81,66.78 41.05,66.78 40.92,66.9 40.92,66.9 40.26,66.9 ; 40.26,66.9 40.14,66.9 ; 91.91,24.2 92.3,24.59 92.3,25.05 92.68,25.43 v1(92.76,25.43) ; 91.91,24.2 90.83,24.2 90.63,24 90.64,24.01 90.59,23.96 88.72,23.96 87.96,24.72 87.96,24.98 87.51,25.43 87.14,25.43 86.89,25.18 86.89,24.88 ; 91.91,24.2 91.91,23.56 91.65,23.3 90.94,23.3 90.66,23.58 88.38,23.58 87.75,24.21 87.46,24.21 86.89,24.78 86.89,24.88 ; 40.14,66.9 40.14,67.53 39.84,67.83 39.84,67.99 39.68,68.15 39.68,69.63 40.34,70.29 47.25,70.29 47.91,70.95 47.91,74.13 51.89,78.11 53.86,78.11 54.1,78.35 54.1,78.76 53.84,79.02 51.78,79.02 47.38,74.62 47.38,71.17 46.98,70.77 40.1,70.77 39.31,69.98 39.31,68.19 39.25,68.13 39.25,67.11 39.46,66.9 39.55,66.9 39.56,66.9 40.14,66.9 ; 52.82,100.66 52.49,100.99 51.03,100.99 49.95,102.07 46.85,102.07 44.98,100.2 43.23,100.2 42.07,99.04 42.07,98.69 42.29,98.47 42.61,98.47 43.68,99.54 45.25,99.54 47.15,101.44 49.63,101.44 50.88,100.19 52.62,100.19 52.82,100.39 52.82,100.66 ; 52.82,100.66 54.32,100.66 ; 60.7,57.57 59.56,56.43 48.75,56.43 ; 60.7,57.57 56.39,57.57 56.23,57.73 49.07,57.73 48.75,57.41 48.75,56.43 ; 60.7,57.57 61.35,57.57 ; v1(32.13,80.05) 31.76,79.68 31.37,79.68 31.08,79.97 31.08,80.66 31.36,80.94 31.36,81.73 31.21,81.88 30.69,81.88 30.43,81.62 30.43,80.92 30.71,80.64 30.71,79.75 31.18,79.28 36.55,79.28 37.2,78.63 37.2,72.04 37.79,71.45 45.31,71.45 45.6,71.17 46.5,71.17 46.7,71.37 46.7,71.88 46.5,72.08 45.55,72.08 45.28,71.81 38.12,71.81 37.59,72.34 37.59,78.89 36.85,79.63 32.68,79.63 32.26,80.05 ; 37.67,43.78 37.59,43.86 37.2,43.86 36.47,43.13 30.12,43.13 29.39,43.86 25.9,43.86 25.57,44.19 24.77,44.19 24.47,43.89 24.47,43.09 ; 37.67,43.78 37.61,43.84 ; v1(54.37,100.61) 54.32,100.66 ; 54.32,100.66 54.24,100.66 ; 86.89,24.88 86.88,24.87 v1(86.02,24.87) ; 42.8,35.2 42.65,35.2 42.23,35.62 41.81,35.62 41.75,35.68 ; 42.8,35.2 42.8,34.94 43.22,34.52 44.5,34.52 45.47,35.49 v1(45.58,35.49) 46.62,34.45 64.32,34.45 64.44,34.57 64.44,35.53 64.72,35.81 65.1,35.81 65.33,35.58 65.33,34.64 64.8,34.11 42.52,34.11 41.59,35.04 41.59,35.52 41.75,35.68 ; 42.8,35.2 43.02,35.2 43.29,35.47 43.29,35.79 42.8,36.29 41.51,36.29 40.84,36.95 17.99,36.95 17.21,37.73 16.52,37.73 16.33,37.54 16.33,36.55 16.56,36.32 16.87,36.32 17.27,35.92 v1(17.27,35.77) 17.27,35.83 17.98,36.54 40.66,36.54 41.29,35.91 41.52,35.91 41.75,35.68 ; 28.87,42.52 29.01,42.52 ; 35.92,91.1 34.86,91.1 33.85,90.09 33.85,86.16 33.7,86.01 33.05,86.01 32.95,86.11 32.95,90.24 34.24,91.53 40.3,91.53 40.78,92.01 40.78,94.76 40.95,94.93 41.48,94.93 41.66,94.75 41.66,92.06 40.7,91.1 35.92,91.1 ; 35.92,91.1 v1(35.92,88.92) ; 84.46,50.14 66.97,50.14 66.6,50.51 66.04,50.51 65.7,50.17 65.7,49.67 ; 84.46,50.14 87.21,50.14 87.36,49.99 88.66,49.99 89.57,49.08 v1(91.64,49.08) 92.06,49.08 92.63,49.65 96.96,49.65 97.25,49.36 98.3,49.36 98.58,49.64 98.58,50.09 98.33,50.34 97.24,50.34 96.96,50.06 92.37,50.06 92.07,49.76 89.65,49.76 89.03,50.38 87.59,50.38 87.39,50.58 68.1,50.58 67.59,51.09 v1(67.09,51.09) 67.04,51.14 ; 84.46,50.14 84.46,49.94 86.05,48.35 86.95,48.35 87.9,47.4 87.9,45.94 88.75,45.09 108.62,45.09 108.81,45.28 108.81,48.32 109.78,49.29 117.01,49.29 117.57,49.85 117.57,52.68 117.78,52.89 118.32,52.89 118.62,52.59 118.62,52.06 v4(118.65,52.03) 118.65,51.48 118.06,50.89 118.06,49.69 117.26,48.89 110.01,48.89 109.44,48.32 109.44,46.85 109.79,46.5 109.79,45.9 109.46,45.57 109.46,45.21 108.97,44.72 88.46,44.72 87.51,45.67 87.51,47.07 86.72,47.86 85.85,47.86 83.97,49.74 67.65,49.74 67.09,49.18 63.91,49.18 63.08,50.01 48.83,50.01 48.55,50.29 38.7,50.29 38.13,49.72 v1(37.71,49.72) 37.71,49.83 37.32,50.22 37.32,50.7 37.6,50.98 38.4,50.98 38.69,50.69 48.8,50.69 49.11,50.39 63.36,50.39 64.07,49.67 65.7,49.67 ; 67.18,50.11 67.18,49.91 66.94,49.67 65.7,49.67 ; 61.35,57.57 61.76,57.57 62.06,57.87 62.29,57.87 62.51,58.09 62.51,58.59 62.28,58.82 61.75,58.82 61.61,58.68 61.61,58.47 61.13,57.99 56.61,57.99 56.42,58.18 55.5,58.18 55.28,58.4 v1(54.44,58.4) ; 61.35,57.57 61.35,56.94 60.48,56.07 41.43,56.07 41.16,55.8 40.36,55.8 40.14,56.02 40.14,56.47 40.36,56.69 41.21,56.69 41.45,56.45 46.08,56.45 46.75,57.12 v1(46.8,57.12) 46.96,57.12 47.65,56.43 48.75,56.43 ; 64.86,49.67 64.86,50.66 65.34,51.14 67.04,51.14 ; 67.04,51.14 66.98,51.14 ; 32.36,69.32 31.95,68.91 v1(31.95,68.32) 31.95,67.55 32.94,66.56 32.94,65.72 33.27,65.39 33.27,63.57 33.08,63.38 30.33,63.38 v1(29.59,64.12) 27.45,64.12 v1(27.39,64.18) 27.34,64.18 26.99,63.83 26.99,63.31 27.19,63.11 28.6,63.11 28.78,62.94 29.43,62.94 29.5,63.01 33.61,63.01 33.72,63.12 33.72,65.73 33.35,66.1 33.35,67.76 33.53,67.94 v1(33.53,68.35) 33.56,68.35 34.04,68.83 34.72,68.83 34.92,68.63 34.92,68.22 35.57,67.57 35.65,67.57 35.66,67.57 36.23,67.57 36.37,67.7 36.37,68.33 36.18,68.52 35.65,68.52 34.85,69.32 32.36,69.32 ; 104.67,46.55 104.67,47.43 104.36,47.74 104.36,52.04 104.66,52.34 104.66,52.77 105.49,53.6 112.88,53.6 113.27,53.21 113.27,52.75 v4(113.68,52.34) 114.15,52.34 114.42,52.62 114.42,53.35 113.78,53.99 105.25,53.99 104.28,53.02 104.28,52.6 103.98,52.3 103.98,47.7 103.54,47.26 103.53,47.26 103.27,47 v1(103.27,46.84) 103.78,46.33 104.45,46.33 104.67,46.55 ; 27.09,80.1 27.09,80.71 27.47,81.09 27.81,81.09 27.89,81.01 28.6,81.01 28.82,81.23 28.82,81.7 28.6,81.92 27.6,81.92 26.05,80.37 25.77,80.37 25.18,79.78 25.18,79.43 25.48,79.13 25.85,79.13 26.47,79.75 26.74,79.75 v1(27.05,80.06) 27.09,80.1 ; 41.38,60.77 41.38,60.08 41.16,59.86 40.72,59.86 40.56,60.02 40.44,60.02 39.96,60.5 39.1,60.5 38.31,59.71 34.59,59.71 33.46,58.58 33.46,58.04 30.18,54.76 22.56,54.76 v1(22.04,54.24) 22.04,54.35 21.62,54.77 12.95,54.77 12.72,55 12.69,55 12.13,55.56 12.13,55.91 12.34,56.12 12.82,56.12 13.75,55.19 29.96,55.19 33.09,58.32 33.09,58.85 34.34,60.1 37.82,60.1 38.82,61.1 40.77,61.1 v1(40.89,60.98) 41.17,60.98 41.38,60.77 ; 30.3,82.53 30.3,82.9 28.83,84.37 26.39,84.37 25.84,83.82 25.84,82.65 26.09,82.4 26.09,81.67 25.88,81.46 25.36,81.46 25.19,81.64 25.19,82.4 25.44,82.65 25.44,84.07 26.13,84.76 26.35,84.76 26.37,84.75 29.15,84.75 29.96,83.93 30.71,83.93 30.77,83.87 v1(30.84,83.87) 30.84,83.44 31.47,82.81 31.47,82.48 31.14,82.15 30.68,82.15 30.3,82.53 ; 35.93,19.59 38.29,17.23 68.28,17.23 68.65,17.6 69.02,17.96 69.02,18.39 68.75,18.65 68.37,18.65 67.32,17.6 38.85,17.6 v1(37.5,18.95) 36.5,19.95 29.04,19.95 28.36,19.27 26.84,19.27 26.13,19.98 22.35,19.98 22.1,20.23 21.18,20.23 21,20.05 21,19.54 21.2,19.34 21.28,19.34 21.29,19.34 22.08,19.34 22.34,19.6 25.83,19.6 26.55,18.88 28.73,18.88 29.44,19.59 31.86,19.59 v1(32.38,19.07) 32.9,19.59 35.93,19.59 ; 36.8,41.31 47.28,41.31 48.92,42.95 62.88,42.95 63.3,42.53 v1(63.3,42.48) 63.3,42.62 63.66,42.98 65.16,42.98 65.42,42.73 66.22,42.73 66.46,42.97 66.46,43.39 66.24,43.61 65.37,43.61 65.16,43.4 65.16,43.38 48.7,43.38 47.04,41.72 36.78,41.72 36.56,41.94 35.78,41.94 35.61,41.77 35.61,41.24 35.8,41.06 36.55,41.06 36.8,41.31 ; 24.84,78.66 25.83,78.66 26.03,78.46 26.03,77.95 25.85,77.77 24.82,77.77 v1(23.02,75.97) 22.93,76.06 22.85,76.06 22.85,76.06 21.99,76.06 21.76,76.29 21.76,76.69 22.01,76.94 23.12,76.94 24.84,78.66 ; 55.22,75.25 v1(55.55,75.25) 55.55,74.77 56.3,74.02 60.18,74.02 60.49,74.33 61.39,74.33 61.63,74.09 61.63,73.58 61.43,73.38 60.37,73.38 60.2,73.55 55.54,73.55 54.06,75.03 54.06,75.45 54.35,75.74 54.73,75.74 55.22,75.25 ; 69.34,19.91 69.66,19.59 69.66,19.09 69.47,18.9 69.02,18.9 68.4,19.51 51.87,19.51 50.96,18.6 50.59,18.6 50.29,18.9 50.29,19.28 50.91,19.9 54.23,19.9 v1(54.54,20.21) 54.6,20.21 54.9,19.91 69.34,19.91
  IC1 w0.1: 9.92,7 10.87,7.95 v1(10.87,7.97) ; 9.92,7 10.98,5.94 14.19,5.94 16.31,3.82 40.4,3.82 42.7,6.12 64.88,6.12 65.83,7.07 v1(65.83,9.88) ; 9.92,7 2.64,14.28 2.64,36.55 v1(3,36.91) 2.65,37.26 2.65,40.85 4.89,43.09 v1(4.89,44.18) 5.47,44.76 5.47,45.2 7.07,46.8 9.13,46.8 10.23,47.9 10.23,54.29 11.15,55.21 11.15,59.71 11.64,60.2 11.64,61.77 11.33,62.08 11.33,65.58 12.91,67.16 14.8,67.16 15.8,68.16 15.8,68.86 15.28,69.38 13.56,69.38 10.03,65.85 10.03,62.73 v1(9.16,61.86) 7.26,59.96 v1(6.35,59.96) 6.35,58.77 4.52,56.94 4.52,52.72 2.62,50.82 2.62,46.94 v1(2.08,46.4)
  IC3 w0.08: v1(33.53,68.35) 34.18,69 34.61,69 34.97,68.64 36.26,68.64 36.29,68.67 37.64,68.67 38.63,67.68 39.81,67.68 40.01,67.48 40.01,67.09 39.82,66.9 38.82,66.9 37.43,68.29 36.68,68.29 36.31,67.92 36.31,67.69 36.16,67.54 35.73,67.54 35.49,67.78 35.49,68.64 ; 102.73,44.59 102.73,44.9 104.12,46.29 104.39,46.29 104.66,46.56 104.66,47.02 104.43,47.25 103.57,47.25 103.27,46.95 v1(103.27,46.84) 103.21,46.78 103.21,46.42 101.87,45.08 91.2,45.08 90.88,45.4 90.88,49.89 89.64,51.13 82.33,51.13 81.9,51.56 81.9,52.18 80.02,54.06 74.6,54.06 74.49,53.95 62.72,53.95 61.26,55.41 39.61,55.41 38.7,56.32 32.05,56.32 29.52,58.86 28.62,58.86 28.43,58.66 28.43,57.7 ; 102.73,44.59 106.59,44.59 107.2,45.2 107.2,45.79 110.06,48.65 113.21,48.65 116.31,51.75 v4(116.31,52.09) 116.32,52.1 116.32,52.21 116.73,52.61 117.16,52.61 117.55,52.22 117.55,51.75 117.19,51.39 116.64,51.39 113.45,48.2 110.39,48.2 108.59,46.4 108.59,45.26 107.5,44.17 90.67,44.17 89.95,44.89 89.95,49.42 89.06,50.31 81.68,50.31 80.82,51.17 80.82,51.55 79.86,52.51 76.31,52.51 v1(75.57,51.77) 74.21,53.13 62.09,53.13 61.05,54.17 40.98,54.17 40.71,53.9 38.87,53.9 37.23,55.54 31.35,55.54 30.65,56.24 29.66,56.24 29.44,56.46 29.07,56.46 28.87,56.66 28.55,56.66 28.12,57.09 28.12,57.58 28.24,57.7 28.43,57.7 ; 102.73,44.59 90.97,44.59 90.43,45.13 90.43,49.55 89.28,50.7 82.02,50.7 81.48,51.24 81.48,51.9 80.49,52.89 75.41,52.89 74.74,53.56 62.41,53.56 60.95,55.02 39.31,55.02 38.41,55.92 31.75,55.92 31.02,56.65 29.9,56.65 29.67,56.88 29.35,56.88 29.17,57.06 29.17,57.35 28.84,57.68 28.84,57.7 28.43,57.7 ; 20.23,59.79 19.64,59.79 19.43,59.58 19.43,58.72 19.73,58.42 19.73,54.92 23.23,51.42 44.63,51.42 44.77,51.28 60.73,51.28 62.72,49.29 68.62,49.29 68.88,49.03 74.77,49.03 75.05,48.75 75.76,48.75 76.01,49 76.01,49.42 75.79,49.64 75.01,49.64 74.82,49.45 69.17,49.45 68.89,49.73 62.99,49.73 61.05,51.68 45.07,51.68 44.93,51.82 31.35,51.82 v1(30.77,52.39) 30.31,51.93 23.43,51.93 20.07,55.29 20.07,58.52 20.38,58.83 20.38,59.64 20.23,59.79 ; 20.23,59.79 20.39,59.95 20.39,60.75 20.24,60.9 v1(19.96,60.9) ; 45.58,36.81 45.24,37.15 38.22,37.15 38.08,37.01 37.54,37.01 37.31,37.24 37.31,37.51 37.52,37.72 38.04,37.72 38.21,37.55 45.61,37.55 45.89,37.27 46.93,37.27 47.19,37.01 47.19,36.63 46.05,35.49 v1(45.58,35.49) 45.58,36.81